# Altium PCB MB_PCB.PcbDoc (part 1 of 4) (continued)
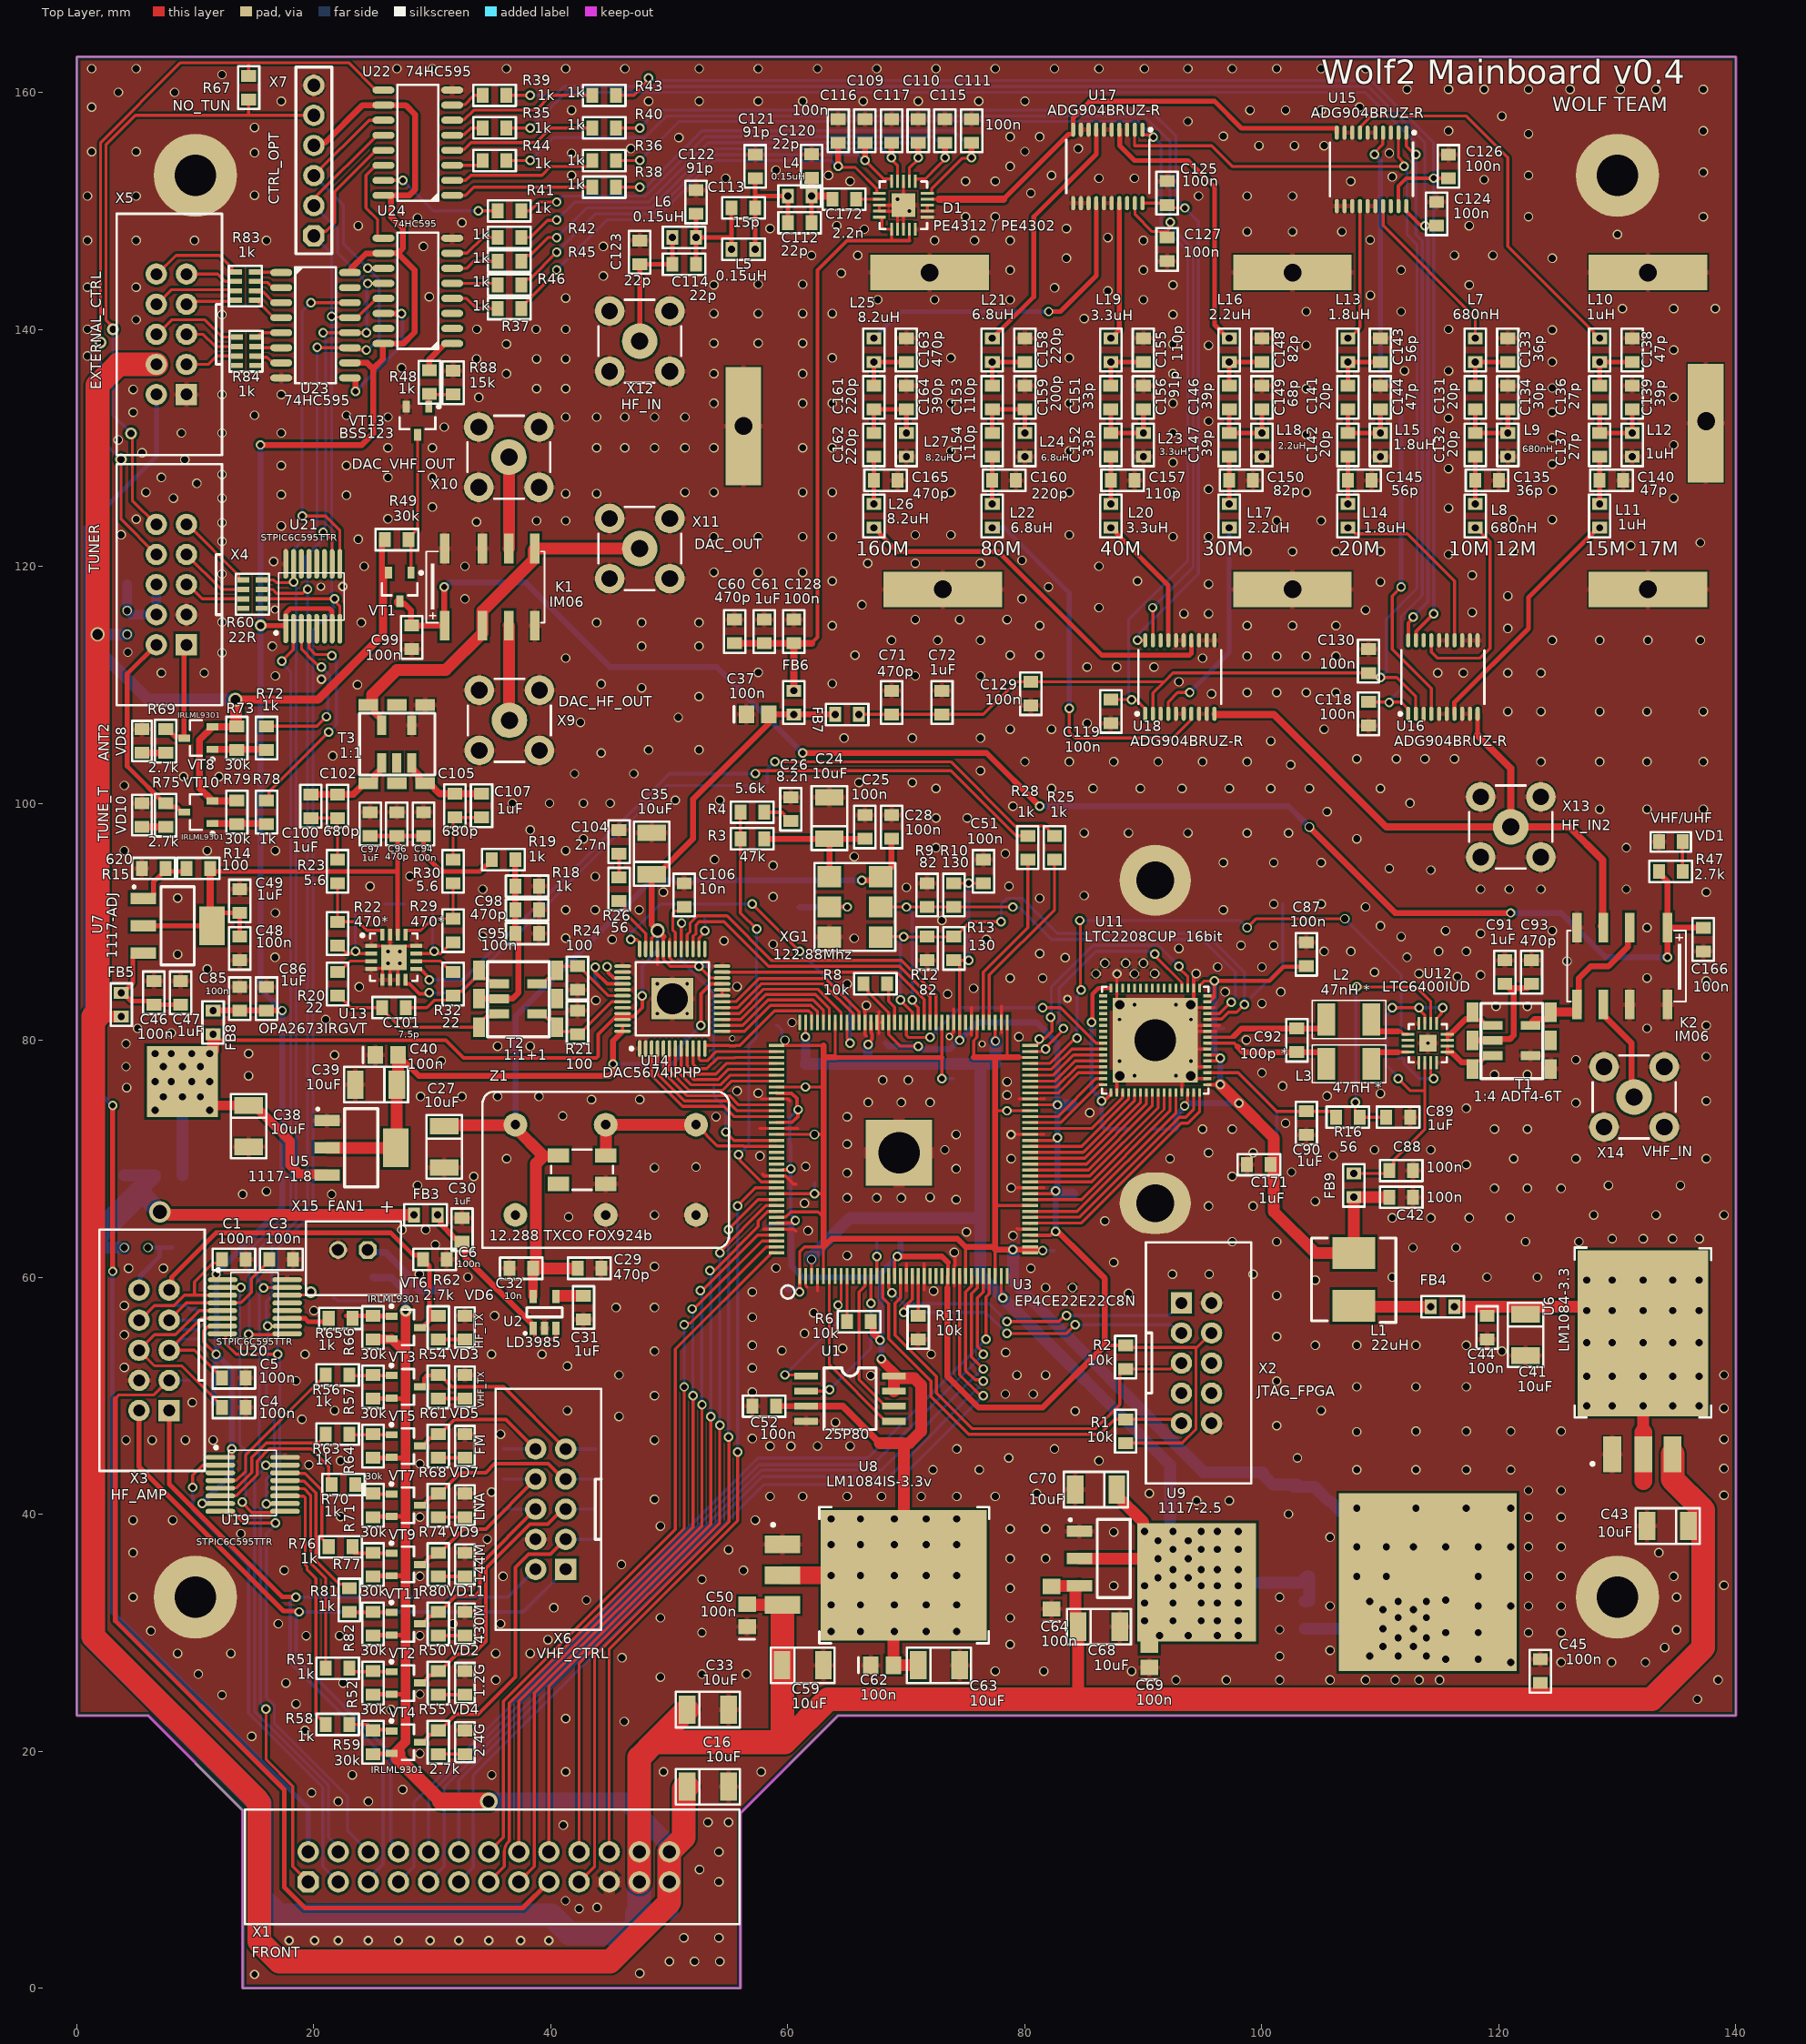
[diagram p0: Top Layer view]
## Components (designator, comment, footprint, x,y, rotation, side; value= is the part's Value field where it differs from the comment) (continued)
R14 "100" CH0805R 10.25,94.5 r180 top
R15 "620" CH0805R 6.475,94.5 r0 top
R16 "56" CH0805R 107.25,73.5 r0 top
R17 "1.5k" CH0805R 111.75,79.75 r90 bottom
R18 "1k" CH0805R 38,93 r0 top
R19 "1k" CH0805R 36,95.25 r0 top
R20 "22" CH0805R 22,84.75 r270 top
R21 "100" CH0805R 42.25,81.5 r270 top
R22 "470*" CH0805R 22,89 r270 top
R23 "5.6" CH0805R 22,94.25 r270 top
R24 "100" CH0805R 42.25,85.25 r90 top
R25 "1k" CH0805R 82.5,96.25 r270 top
R26 "56" CH0805R 45.75,92.75 r270 top
R27 "330" CH0805R 28.65,91.5 r0 bottom
R28 "1k" CH0805R 80.25,96.25 r270 top
R29 "470*" CH0805R 31.75,89.25 r270 top
R30 "5.6" CH0805R 31.75,94.25 r270 top
R31 "1.5k" CH0805R 44,83.735 r90 bottom
R32 "22" CH0805R 31.75,84.75 r270 top
R33 "10k" CH0805R 54,90.25 r180 bottom
R34 "22" CH0805R 53.75,77.25 r270 bottom
R35 "1k" CH0805R 35.25,157 r180 top
R36 "1k" CH0805R 44.5,154.25 r0 top
R37 "1k" CH0805R 36.5,141.75 r180 top
R38 "1k" CH0805R 44.5,152 r180 top
R39 "1k" CH0805R 35.25,159.75 r180 top
R40 "1k" CH0805R 44.5,157 r0 top
R41 "1k" CH0805R 36.5,150 r180 top
R42 "1k" CH0805R 36.5,147.75 r180 top
R43 "1k" CH0805R 44.5,159.75 r180 top
R44 "1k" CH0805R 35.25,154.25 r0 top
R45 "1k" CH0805R 36.5,145.75 r180 top
R46 "1k" CH0805R 36.5,143.75 r180 top
R47 "2.7k" CH0805R 134.5,94.25 r180 top
R48 "1k" CH0805R 29.75,135.541 r270 top
R49 "30k" CH0805R 27,122.25 r0 top
R50 "2.7k" CH0805R 30.5,25.75 r90 top
R51 "1k" CH0805R 22,27 r180 top
R52 "30k" CH0805R 25,25.75 r90 top
R53 "3k" CAT16 10.25,57.175 r0 bottom
R54 "2.7k" CH0805R 30.5,50.75 r90 top
R55 "2.7k" CH0805R 30.5,20.75 r90 top
R56 "1k" CH0805R 22,51.75 r180 top
R57 "30k" CH0805R 25,50.75 r90 top
R58 "1k" CH0805R 22,22.25 r180 top
R59 "30k" CH0805R 25,20.75 r90 top
R60 "22R" CAT16 14.042,116.45 r0 top
R61 "2.7k" CH0805R 30.5,45.75 r90 top
R62 "2.7k" CH0805R 30.5,55.75 r90 top
R63 "1k" CH0805R 22,46.75 r180 top
R64 "30k" CH0805R 25,45.75 r90 top
R65 "1k" CH0805R 22.25,56.525 r180 top
R66 "30k" CH0805R 25,55.75 r90 top
R67 "NO_TUN" CH0805R 14.5,160.4 r90 top
R68 "2.7k" CH0805R 30.5,40.75 r90 top
R69 "2.7k" CH0805R 7.5,105.25 r90 top
R70 "1k" CH0805R 22.5,42.496 r180 top
R71 "30k" CH0805R 25,40.75 r90 top
R72 "1k" CH0805R 16,105.5 r90 top
R73 "30k" CH0805R 13.5,105.5 r270 top
R74 "2.7k" CH0805R 30.5,35.75 r90 top
R75 "2.7k" CH0805R 7.5,99 r90 top
R76 "1k" CH0805R 22.25,37.25 r180 top
R77 "30k" CH0805R 25,35.75 r90 top
R78 "1k" CH0805R 16,99.25 r90 top
R79 "30k" CH0805R 13.5,99.25 r270 top
R80 "2.7k" CH0805R 30.5,30.75 r90 top
R81 "1k" CH0805R 23,32.75 r90 top
R82 "30k" CH0805R 25,30.75 r90 top
R83 "1k" CAT16 15,144.85 r180 top
R84 "1k" CAT16 15.05,139.35 r180 top
R85 "2k" CH0805R 10.5,51.29 r180 bottom
R86 "1k" CH0805R 21,58.675 r180 bottom
R87 "30k" CH0805R 25,59 r270 bottom
R88 "15k" CH0805R 31.75,135.5 r90 top
T1 "1:4 ADT4-6T" TRANSF_ACORE2 121.09,79.98 r0 top
T2 "1:1+1" TRANSF_ACORE2 37.25,83.5 r0 top
T3 "1:1" TRANSF_ACORE 27,105 r90 top
U1 "25P80" 25P80 65.25,49.75 r0 top
U2 "LD3985" LD3985 39.3,57 r90 top
U3 "EP4CE22E22C8N" QFP144-20-2222A 69.5,70.5 r90 top
U4 "1117-3.3" LT1117CST-3.3_2#1 9,71.5 r90 bottom value=LD1117-3.3
U5 "1117-1.8" LT1117CST-3.3 24,71 r0 top value=LD1117-1.8
U6 "LM1084-3.3" LM1084-3.3 132,54.25 r0 top
U7 "1117-ADJ" LT1117CST-3.3 8.5,89.75 r0 top value=AMS1117-ADJ
U8 "LM1084IS-3.3v" LM1084-3.3 68.75,35 r270 top
U9 "1117-2.5" LT1117CST-3.3_2#1 87.5,36.335 r0 top value=LD1117-2.5
U10 "1117-1.2" LT1117CST-3.3_2#2 106.5,30.25 r0 bottom value=LD1117-1.2
U11 "LTC2208CUP  16bit" "64-QFN (9x9)" 91,80 r180 top
U12 "LTC6400IUD" "16-QFN 3x3" 115.8,81.55 r270 top
U13 "OPA2673IRGVT" "16-QFN 4x4 PAD17" 26.75,87 r0 top
U14 "DAC5674IPHP" 48-TQFP 50.25,83.5 r90 top
U15 "ADG904BRUZ-R" 20-TSSOP 109.25,153.5 r270 top
U16 "ADG904BRUZ-R" 20-TSSOP 115.275,110.65 r90 top
U17 "ADG904BRUZ-R" 20-TSSOP 87,153.75 r270 top
U18 "ADG904BRUZ-R" 20-TSSOP 93.075,110.65 r90 top
U19 "STPIC6C595TTR" 16-TSOP 14.823,42.515 r0 top
U20 "STPIC6C595TTR" 16-TSOP 15,57.5 r0 top
U21 "STPIC6C595TTR" 16-TSOP 19.915,117.457 r90 top
U22 "74HC595" 16-SO 28.75,155.75 r180 top
U23 "74HC595" 16-SO 20.175,140.342 r0 top
U24 "74HC595" 16-SO 28.75,143.25 r180 top
VD1 "LED BLUE" "LED: 0805B" 134.5,96.75 r180 top
VD2 "LED BLUE" "LED: 0805B" 32.75,25.75 r90 top
VD3 "LED RED" "LED: 0805R" 32.75,50.75 r90 top
VD4 "LED BLUE" "LED: 0805B" 32.75,20.75 r90 top
VD5 "LED BLUE" "LED: 0805B" 32.75,45.75 r90 top
VD6 "LED RED" "LED: 0805R" 32.75,55.75 r90 top
VD7 "LED BLUE" "LED: 0805B" 32.75,40.75 r90 top
VD8 "LED BLUE" "LED: 0805B" 5.5,105.25 r90 top
VD9 "LED BLUE" "LED: 0805B" 32.75,35.75 r90 top
VD10 "LED BLUE" "LED: 0805B" 5.5,99 r90 top
VD11 "LED BLUE" "LED: 0805B" 32.75,30.75 r90 top
VT1 "IRLML9301" SOT23_132 27.25,118.25 r270 top
VT2 "IRLML9301" SOT23_132 27.75,25.75 r0 top
VT3 "IRLML9301" SOT23_132 27.75,50.75 r0 top
VT4 "IRLML9301" SOT23_132 27.75,20.75 r0 top
VT5 "IRLML9301" SOT23_132 27.75,45.75 r0 top
VT6 "IRLML9301" SOT23_132 27.75,55.75 r0 top
VT7 "IRLML9301" SOT23_132 27.75,40.75 r0 top
VT8 "IRLML9301" SOT23_132 10.25,105.5 r180 top
VT9 "IRLML9301" SOT23_132 27.75,35.75 r0 top
VT10 "IRLML9301" SOT23_132 10.25,99.25 r180 top
VT11 "IRLML9301" SOT23_132 27.75,30.75 r0 top
VT12 "IRLML9301" SOT23_132 27.75,59 r0 bottom
VT13 "BSS123" SOT23_132 28.75,132.282 r270 top
X1 "FRONT" "CON: IDC-26" 33.35,10.28 r0 top
X2 "JTAG_FPGA" "CON: BH-10" 93.21,57.83 r270 top
X3 "HF_AMP" "CON: BH-10" 7.79,48.75 r90 top
X4 "TUNER" "CON: BH-10" 9.25,113.38 r90 top
X5 "EXTERNAL_CTRL" "CON: BH-10" 9.25,134.5 r90 top
X6 "VHF_CTRL" "CON: BH-10" 41.25,35.34 r90 top
X7 "CTRL_OPT" "CON: PBS-6" 20,154.25 r90 top
X9 "DAC_HF_OUT" "CON: SMA" 36.5,107 r0 top
X10 "DAC_VHF_OUT" "CON: SMA" 36.46,129.21 r0 top
X11 "DAC_OUT" "CON: SMA" 47.5,121.5 r0 top
X12 "HF_IN" "CON: SMA" 47.5,139 r0 top
X13 "HF_IN2" "CON: SMA" 121,98 r0 top
X14 "VHF_IN" "CON: SMA" 131.41,75.21 r0 top
X15 "FAN1" "CON: CWF-2" 23.3,62.3 r180 top
XG1 "122.88Mhz" "OCS: GENA" 63.46,93.75 r0 top
Z1 "12.288 TXCO FOX924b" TCXO 44.63,69.06 r0 top

## Footprints (in the part's own frame and the unit in brackets; to place one, negate y for a bottom-side part, rotate by r counter-clockwise, add the part's x,y. Pads: shape width x height; smd on the part's side, far side on the other; paste and mask are expansions set on the pad)
"16-QFN 3x3" [mm]
  rect 1.1x0.25 smd: 1(0.125,-1.05) 2(0.125,-1.55) 3(0.125,-2.05) 4(0.125,-2.55) 9(3.45,-2.55) 10(3.45,-2.05) 11(3.45,-1.55) 12(3.45,-1.05)
  rect 0.25x1.1 smd: 5(1.05,-3.475) 6(1.55,-3.475) 7(2.05,-3.475) 8(2.55,-3.475) 13(2.55,-0.15) 14(2.05,-0.15) 15(1.55,-0.15) 16(1.05,-0.15)
  rect 1.45x1.45 smd: 17(1.8,-1.8)
  round 0.7 hole 0.3: 17(1.8,-1.8)
  round 0.35 on Top Overlay: ""(-0.2,-0.4)
  round 0.5 on Mech1: ""(0.7,-0.7)
  silkscreen extent 0.2,-3.4 3.4,-0.2, body extent 0.3,-3.3 3.3,-0.3, height 0.9
"16-QFN 4x4 PAD17" [mm]
  round 0.5 on Mech1: 0(-1.5,1.6)
  rect 1x0.35 smd: 1(-1.9,0.975) 2(-1.9,0.325) 3(-1.9,-0.325) 4(-1.9,-0.975) 9(1.9,-0.975) 10(1.9,-0.325) 11(1.9,0.325) 12(1.9,0.975)
  rect 0.35x1 smd: 5(-0.975,-1.9) 6(-0.325,-1.9) 7(0.325,-1.9) 8(0.975,-1.9) 13(0.975,1.9) 14(0.325,1.9) 15(-0.325,1.9) 16(-0.975,1.9)
  round 0.7 hole 0.3: 17(-0.5,-0.5) 17(-0.5,0.5) 17(0.5,-0.5) 17(0.5,0.5)
  rect 2.15x2.15 smd: 17(0,0)
  silkscreen extent -2.77,-2 2,2, body extent -2,-2 2,2, height 0.75
16-SO [mm] "pitch 1.27 mm"
  oval 1.85x0.6 smd: 1(-2.925,4.448) 2(-2.925,3.178) 3(-2.925,1.908) 4(-2.925,0.638) 5(-2.925,-0.632) 6(-2.925,-1.902) 7(-2.925,-3.172) 8(-2.925,-4.442) 9(2.875,-4.442) 10(2.875,-3.172) 11(2.875,-1.902) 12(2.875,-0.632) 13(2.875,0.638) 14(2.875,1.908) 15(2.875,3.178) 16(2.875,4.448)
  round 0.7 on Mech1: 25(-2.5,4.3)
  round 0.7 on Top Overlay: ""(-2.9,5.4)
  silkscreen extent -1.75,-4.9 1.7,4.9, body extent -3.09,-5.01 3.04,4.96, height 1.73
16-TSOP [mm]
  oval 2.5x0.42 smd: 1(-2.692,2.286) 2(-2.719,1.625) 3(-2.719,0.975) 4(-2.719,0.325) 5(-2.719,-0.325) 6(-2.719,-0.975) 7(-2.719,-1.625) 8(-2.719,-2.275) 9(2.745,-2.275) 10(2.745,-1.625) 11(2.745,-0.975) 12(2.745,-0.325) 13(2.745,0.325) 14(2.745,0.975) 15(2.745,1.625) 16(2.743,2.286)
  silkscreen extent -3.2,-2.65 2,3.22, body extent -3.2,-2.5 3.2,2.5, height 1.2
"20-QFN (4x4)" [mm]
  round 0.4 on Top Overlay: 0(-2.5,1.8)
  rect 1.1x0.25 smd: 1(-2.025,1) 2(-2.025,0.5) 3(-2.025,0) 4(-2.025,-0.5) 5(-2.025,-1) 11(2.025,-1) 12(2.025,-0.5) 13(2.025,0) 14(2.025,0.5) 15(2.025,1)
  rect 0.25x1.1 smd: 6(-1,-2.025) 7(-0.5,-2.025) 8(0,-2.025) 9(0.5,-2.025) 10(1,-2.025) 16(1,2.025) 17(0.5,2.025) 18(0,2.025) 19(-0.5,2.025) 20(-1,2.025)
  round 0.7 hole 0.3: 21(-0.5,0.5) 21(0.5,-0.5)
  rect 2x2 smd: 21(0,0)
  round 0.5 on Mech1: 23(-1.5,1.5)
  silkscreen extent -2,-2 2,2, body extent -2.02,-2.01 2,2.01, height 0.78
20-TSSOP [mm]
  oval 1.2x0.35 smd: 1(-3.1,2.925) 2(-3.1,2.275) 3(-3.1,1.625) 4(-3.1,0.975) 5(-3.1,0.325) 6(-3.1,-0.325) 7(-3.1,-0.975) 8(-3.1,-1.625) 9(-3.1,-2.275) 10(-3.1,-2.925) 11(3.1,-2.925) 12(3.1,-2.275) 13(3.1,-1.625) 14(3.1,-0.975) 15(3.1,-0.325) 16(3.1,0.325) 17(3.1,0.975) 18(3.1,1.625) 19(3.1,2.275) 20(3.1,2.925)
  round 0.5 on Mech1: ""(-2.8,2.8)
  silkscreen extent -3.22,-3.5 2.25,3.73, body extent -3.3,-3.3 3.3,3.3, height 1.2
25P80 [mm]
  rect 2x0.6 smd: 1(-3.7,1.905) 2(-3.7,0.635) 3(-3.7,-0.635) 4(-3.7,-1.905) 5(3.7,-1.905) 6(3.7,-0.635) 7(3.7,0.635) 8(3.7,1.905)
  silkscreen extent -2.2,-2.6 2.2,2.6
48-TQFP [mm]
  oval 1.4x0.3 smd: 1(-4.2,2.75) 2(-4.2,2.25) 3(-4.2,1.75) 4(-4.2,1.25) 5(-4.2,0.75) 6(-4.2,0.25) 7(-4.2,-0.25) 8(-4.2,-0.75) 9(-4.2,-1.25) 10(-4.2,-1.75) 11(-4.2,-2.25) 12(-4.2,-2.75) 25(4.2,-2.75) 26(4.2,-2.25) 27(4.2,-1.75) 28(4.2,-1.25) 29(4.2,-0.75) 30(4.2,-0.25) 31(4.2,0.25) 32(4.2,0.75) 33(4.2,1.25) 34(4.2,1.75) 35(4.2,2.25) 36(4.2,2.75)
  round 0.5 on Mech1: 1(-4,4)
  oval 0.3x1.4 smd: 13(-2.75,-4.2) 14(-2.25,-4.2) 15(-1.75,-4.2) 16(-1.25,-4.2) 17(-0.75,-4.2) 18(-0.25,-4.2) 19(0.25,-4.2) 20(0.75,-4.2) 21(1.25,-4.2) 22(1.75,-4.2) 23(2.25,-4.2) 24(2.75,-4.2) 37(2.75,4.2) 38(2.25,4.2) 39(1.75,4.2) 40(1.25,4.2) 41(0.75,4.2) 42(0.25,4.2) 43(-0.25,4.2) 44(-0.75,4.2) 45(-1.25,4.2) 46(-1.75,4.2) 47(-2.25,4.2) 48(-2.75,4.2)
  round 0.7 hole 0.3: 49(-1.25,-1.25) 49(-1.25,1.25) 49(1.25,-1.25) 49(1.25,1.25)
  rect 3.5x3.5 smd: 49(0,0)
  round 3 hole 2.6: 49(0,0)
  silkscreen extent -4.32,-3.1 3.1,3.57, body extent -4.5,-4.5 4.5,4.5, height 1.2
"64-QFN (9x9)" [mm]
  round 0.5 on Mech1: 0(-4,4)
  round 0.7 hole 0.3: 0(-3,1.75) 0(-3,-1.75) 0(-1.75,3) 0(-1.75,-3) 0(1.75,3) 0(1.75,-3) 0(3,1.75) 0(3,-1.75)
  round 1 hole 0.8: 0(-3,3) 0(-3,-3) 0(3,3) 0(3,-3)
  round 4 hole 3.5: 0(0,0)
  round 0.5 on Top Overlay: 1(-4.9,4.9)
  rect 0.7x0.25 smd: 1(-4.4,3.75) 2(-4.4,3.25) 3(-4.4,2.75) 4(-4.4,2.25) 5(-4.4,1.75) 6(-4.4,1.25) 7(-4.4,0.75) 8(-4.4,0.25) 9(-4.4,-0.25) 10(-4.4,-0.75) 11(-4.4,-1.25) 12(-4.4,-1.75) 13(-4.4,-2.25) 14(-4.4,-2.75) 15(-4.4,-3.25) 16(-4.4,-3.75) 33(4.4,-3.75) 34(4.4,-3.25) 35(4.4,-2.75) 36(4.4,-2.25) 37(4.4,-1.75) 38(4.4,-1.25) 39(4.4,-0.75) 40(4.4,-0.25) 41(4.4,0.25) 42(4.4,0.75) 43(4.4,1.25) 44(4.4,1.75) 45(4.4,2.25) 46(4.4,2.75) 47(4.4,3.25) 48(4.4,3.75)
  rect 0.25x0.7 smd: 17(-3.75,-4.4) 18(-3.25,-4.4) 19(-2.75,-4.4) 20(-2.25,-4.4) 21(-1.75,-4.4) 22(-1.25,-4.4) 23(-0.75,-4.4) 24(-0.25,-4.4) 25(0.25,-4.4) 26(0.75,-4.4) 27(1.25,-4.4) 28(1.75,-4.4) 29(2.25,-4.4) 30(2.75,-4.4) 31(3.25,-4.4) 32(3.75,-4.4) 49(3.75,4.4) 50(3.25,4.4) 51(2.75,4.4) 52(2.25,4.4) 53(1.75,4.4) 54(1.25,4.4) 55(0.75,4.4) 56(0.25,4.4) 57(-0.25,4.4) 58(-0.75,4.4) 59(-1.25,4.4) 60(-1.75,4.4) 61(-2.25,4.4) 62(-2.75,4.4) 63(-3.25,4.4) 64(-3.75,4.4)
  rect 7.15x7.15 smd: 65(0,0)
  silkscreen extent -4.5,-4.5 4.5,4.5, body extent -4.5,-4.52 4.52,4.5, height 0.9
CAP_0805 [mm]
  rect 1.3x1.5 smd: 1(-0.75,0) 2(1.15,0)
  silkscreen extent -1.8,-0.65 -1.8,0.65
CAT16 [mm]
  rect 1x0.45 smd: 1(0,0) 2(0,0.8) 3(0,1.6) 4(0,2.4) 5(1.55,0) 6(1.55,0.8) 7(1.55,1.6) 8(1.55,2.4)
  silkscreen extent -0.61,-0.52 2.17,2.92, body extent -0.07,-0.4 1.53,2.8, height 0.5
CH0805C [mm] "Chip Capacitor, 2-Leads, Body 2,00x1,20mm, IPC Medium Density"
  rect 1x1.25 smd: 1(-1,0) 2(1,0)
  silkscreen extent -1.8,-0.9 1.8,0.9, body extent -1,-0.62 1,0.63, height 0.78
CH0805F [mm]
  rect 0.95x1.4 smd: 1(-1,0) 2(1,0)
  silkscreen extent -1.68,-0.9 1.68,0.9, body extent -1,-0.63 1,0.62, height 0.5
CH0805L [mm]
  rect 1x1.25 smd: 1(-1,0) 2(1,0)
  silkscreen extent -1.8,-0.9 1.8,0.9, body extent -1,-0.62 1,0.63, height 0.85
CH0805R [mm]
  rect 1x1.25 smd: 1(-1,0) 2(1,0)
  silkscreen extent -1.8,-0.9 1.8,0.9, body extent -1,-0.6 1,0.6, height 0.44
CH1210L [mm]
  rect 1.5x2.7 smd: 1(1,1.35) 2(4.8,1.35)
  silkscreen extent -0.2,-0.25 6.02,2.95, body extent 1.45,-0.09 4.65,2.61, height 2
"CON: BH-10" [mm] "Connector; Header; 10 Position"
  rect 1.8x1.8 hole 1: 1(0,0)
  round 1.8 hole 1: 2(0,2.54) 3(2.54,0) 4(2.54,2.54) 5(5.08,0) 6(5.08,2.54) 7(7.62,0) 8(7.62,2.54) 9(10.16,0) 10(10.16,2.54)
  round 0.5 on Top Overlay: ""(-5.7,-2.5)
  round 0.5 on Mech1: ""(-4.5,-2.5)
  silkscreen extent -5.1,-3 15.25,5.9, body extent -5.07,-2.98 15.23,5.87, height 2.77
"CON: CWF-2" [mm]
  oct 1.5x1.5 hole 1: 1(-1.25,0)
  round 1.5 hole 1: 2(1.25,0)
  round 0.5 on Mech1: 23(-3.2,-1.7)
  round 0.5 on Top Overlay: 24(-4.5,-2.1)
  silkscreen extent -4.04,-2.41 3.96,3.81, body extent -3.75,-2.18 3.75,3.57, height 7
"CON: IDC-26" [mm]
  oct 1.8x1.8 hole 1.1: 1(-13.83,-1.32)
  round 1.8 hole 1.1: 2(-13.83,1.22) 3(-11.29,-1.32) 4(-11.29,1.22) 5(-8.75,-1.32) 6(-8.75,1.22) 7(-6.21,-1.32) 8(-6.21,1.22) 9(-3.67,-1.32) 10(-3.67,1.22) 11(-1.13,-1.32) 12(-1.13,1.22) 13(1.41,-1.32) 14(1.41,1.22) 15(3.95,-1.32) 16(3.95,1.22) 17(6.49,-1.32) 18(6.49,1.22) 19(9.03,-1.32) 20(9.03,1.22) 21(11.57,-1.32) 22(11.57,1.22) 23(14.11,-1.32) 24(14.11,1.22) 25(16.65,-1.32) 26(16.65,1.22)
  round 0.5 on Mech1: 42(-18.45,-3.95)
  silkscreen extent -19.16,-4.88 22.55,4.78
"CON: PBS-6" [mm] "PBS-6"
  oct 1.8x1.8 hole 1.1: 1(-6.35,0)
  round 1.8 hole 1.1: 2(-3.81,0) 3(-1.27,0) 4(1.27,0) 5(3.81,0) 6(6.35,0)
  silkscreen extent -7.87,-1.52 7.87,1.52
"CON: SMA" [mm]
  round 3 hole 1.45: 1(0,0)
  round 2.5 hole 1.4: 2(-2.54,-2.54) 2(-2.54,2.54) 2(2.54,-2.54) 2(2.54,2.54)
  silkscreen extent -3.5,-3.5 3.5,3.5, body extent -3.5,-3.5 3.5,3.5, height 9.53
IM06 [mm]
  rect 0.8x2.5 smd: 1(-3.475,-3.25) 2(-0.275,-3.25) 3(1.95,-3.25) 4(4.15,-3.25) 5(4.15,3.25) 6(1.95,3.25) 7(-0.275,3.25) 8(-3.475,3.25)
  silkscreen extent -5.02,-3 4.98,3, body extent -4.68,-3.72 5.32,3.78, height 5.7
IND_7x7 [mm]
  rect 2.7x3.6 smd: 1(-2.159,0) 2(2.286,0)
  silkscreen extent -3.56,-3.56 3.56,3.56
LD3985 [mm]
  rect 1.1x0.6 smd: 1(-1.316,0.785) 2(-1.316,-0.165) 3(-1.316,-1.115) 4(1.384,-1.115) 5(1.384,0.785)
  silkscreen extent -1.93,-1.66 0.43,1.66
"LED: 0805B" [mm]
  rect 1x1.25 smd: 1(-1,0) 2(1,0)
  silkscreen extent -1.7,-0.82 1.7,0.82, body extent -1.05,-0.67 1.05,0.68, height 0.9
"LED: 0805R" [mm]
  rect 1x1.25 smd: 1(-1,0) 2(1,0)
  silkscreen extent -1.7,-0.82 1.7,0.82, body extent -1.05,-0.67 1.05,0.68, height 0.9
LM1084-3.3 [mm]
  rect 1.5x3 smd: 1(-2.44,-9.2) 2(0.175,-9.2) 3(2.655,-9.2)
  rect 11x14 all layers, no hole: 2(0.15,1.025)
  silkscreen extent -5.6,-10.12 5.9,8.25, body extent -4.85,-10.57 5.15,5.11, height 4.78
LT1117CST-3.3 [mm]
  rect 2.15x0.95 smd: 1(-2.9,2.215) 2(-2.9,-0.085) 3(-2.9,-2.385)
  rect 2.15x3.25 smd: 4(2.9,-0.085)
  silkscreen extent -3.86,-3.38 1.4,3.38
LT1117CST-3.3_2#1 [mm]
  rect 2.15x0.95 smd: 1(-2.9,2.215) 2(-2.9,-0.085) 3(-2.9,-2.385)
  rect 6x6 all layers, no hole paste+0 mask+0.102: 4(5,-0.085)
  silkscreen extent -3.86,-3.38 1.4,3.38, body extent -3.68,-3.4 3.62,3.3, height 1.1
LT1117CST-3.3_2#2 [mm]
  rect 2.15x0.95 smd: 1(-2.9,2.215) 2(-2.9,-0.085) 3(-2.9,-2.385)
  rect 10x7 all layers, no hole paste+0 mask+0.102: 4(5,-0.085)
  silkscreen extent -3.86,-3.38 1.4,3.38, body extent -3.68,-3.4 3.62,3.3, height 1.8
"OCS: GENA" [mm]
  round 0.5 on Top Overlay: 0(-1.7,1.2)
  rect 2x1.8 smd: 1(0.04,0.04) 2(0.04,-2.5) 3(0.04,-5.04) 4(4.37,-5.04) 5(4.37,-2.5) 6(4.37,0.04)
  silkscreen extent -1.2,-6.2 5.6,1.2, body extent -0.5,-6 4.5,1, height 1.8
QFP144-20-2222A [mil]
  rect 52x10 smd: 1(-409.45,334.64) 2(-409.45,314.96) 3(-409.45,295.27) 4(-409.45,275.59) 5(-409.45,255.9) 6(-409.45,236.22) 7(-409.45,216.53) 8(-409.45,196.85) 9(-409.45,177.16) 10(-409.45,157.48) 11(-409.45,137.8) 12(-409.45,118.11) 13(-409.45,98.43) 14(-409.45,78.74) 15(-409.45,59.06) 16(-409.45,39.37) 17(-409.45,19.69) 18(-409.45,0) 19(-409.45,-19.68) 20(-409.45,-39.37) 21(-409.45,-59.06) 22(-409.45,-78.74) 23(-409.45,-98.43) 24(-409.45,-118.11) 25(-409.45,-137.8) 26(-409.45,-157.48) 27(-409.45,-177.17) 28(-409.45,-196.85) 29(-409.45,-216.54) 30(-409.45,-236.22) 31(-409.45,-255.91) 32(-409.45,-275.59) 33(-409.45,-295.28) 34(-409.45,-314.96) 35(-409.45,-334.65) 36(-409.45,-354.33) 73(433.07,-354.33) 74(433.07,-334.65) 75(433.07,-314.96) 76(433.07,-295.28) 77(433.07,-275.59) 78(433.07,-255.91) 79(433.07,-236.22) 80(433.07,-216.54) 81(433.07,-196.85) 82(433.07,-177.17) 83(433.07,-157.48) 84(433.07,-137.8) 85(433.07,-118.11) 86(433.07,-98.43) 87(433.07,-78.74) 88(433.07,-59.06) 89(433.07,-39.37) 90(433.07,-19.68) 91(433.07,0) 92(433.07,19.69) 93(433.07,39.37) 94(433.07,59.06) 95(433.07,78.74) 96(433.07,98.43) 97(433.07,118.11) 98(433.07,137.8) 99(433.07,157.48) 100(433.07,177.16) 101(433.07,196.85) 102(433.07,216.53) 103(433.07,236.22) 104(433.07,255.9) 105(433.07,275.59) 106(433.07,295.27) 107(433.07,314.96) 108(433.07,334.64)
  rect 10x52 smd: 37(-332.68,-431.1) 38(-312.99,-431.1) 39(-293.31,-431.1) 40(-273.62,-431.1) 41(-253.94,-431.1) 42(-234.25,-431.1) 43(-214.57,-431.1) 44(-194.88,-431.1) 45(-175.2,-431.1) 46(-155.51,-431.1) 47(-135.83,-431.1) 48(-116.14,-431.1) 49(-96.46,-431.1) 50(-76.77,-431.1) 51(-57.09,-431.1) 52(-37.4,-431.1) 53(-17.72,-431.1) 54(1.97,-431.1) 55(21.65,-431.1) 56(41.34,-431.1) 57(61.02,-431.1) 58(80.71,-431.1) 59(100.39,-431.1) 60(120.08,-431.1) 61(139.76,-431.1) 62(159.45,-431.1) 63(179.13,-431.1) 64(198.82,-431.1) 65(218.5,-431.1) 66(238.19,-431.1) 67(257.87,-431.1) 68(277.56,-431.1) 69(297.24,-431.1) 70(316.93,-431.1) 71(336.61,-431.1) 72(356.3,-431.1) 109(356.3,411.42) 110(336.61,411.42) 111(316.93,411.42) 112(297.24,411.42) 113(277.56,411.42) 114(257.87,411.42) 115(238.19,411.42) 116(218.5,411.42) 117(198.82,411.42) 118(179.13,411.42) 119(159.45,411.42) 120(139.76,411.42) 121(120.08,411.42) 122(100.39,411.42) 123(80.71,411.42) 124(61.02,411.42) 125(41.34,411.42) 126(21.65,411.42) 127(1.97,411.42) 128(-17.72,411.42) 129(-37.4,411.42) 130(-57.09,411.42) 131(-76.77,411.42) 132(-96.46,411.42) 133(-116.14,411.42) 134(-135.83,411.42) 135(-155.51,411.42) 136(-175.2,411.42) 137(-194.88,411.42) 138(-214.57,411.42) 139(-234.25,411.42) 140(-253.94,411.42) 141(-273.62,411.42) 142(-293.31,411.42) 143(-312.99,411.42) 144(-332.68,411.42)
  rect 220x220 smd: 145(0,5)
  round 157.48 hole 137.8: 145(0,5)
SOT23_132 [mm] "SOT23, 3-Leads, Body 3,0x2,6mm (max), Pitch 0,95mm, IPC Medium Density"
  rect 1x0.6 smd: 1(-1.2,0.95) 2(-1.2,-0.95) 3(1.2,0)
  round 0.5 on Mech1: ""(-0.9,1.1)
  silkscreen extent -1.32,-1.5 0.7,1.92, body extent -1.32,-1.52 1.32,1.52, height 1.12
TANTAL_B [mm]
  rect 1.4x2.4 smd: 1(-1.75,0) 2(1.75,0)
  round 0.5 on Mech1: ""(-1.4,1)
  silkscreen extent -2.7,-1.5 2.7,1.5, body extent -1.85,-1.46 1.85,1.47, height 2.03
TCXO [mm]
  round 2 hole 0.8: 1(-7.62,-3.81) 2(0,-3.81) 2(7.62,-3.81) 3(0,3.81) 3(7.62,3.81) 4(-7.62,3.81)
  round 0.5 on Top Overlay: 1(-4.595,-2.19)
  rect 1.8x1.2 smd: 1(-3.995,-1.19) 2(0.005,-1.19) 3(0.005,1.21) 4(-3.995,1.21)
  round 0.5 on Mech1: ""(-3.995,-1.09)
  silkscreen extent -10.4,-6.59 10.4,6.59
TRANSF_ACORE [mm]
  rect 1x1.65 smd: 1(-3.3,2.4) 2(-3.3,0) 3(-3.3,-2.4) 4(3.3,-2.4) 5(3.3,0) 6(3.3,2.4)
  rect 1.65x0.76 smd: 7(-1.59,1.27) 8(-1.59,0) 9(-1.59,-1.27) 10(1.59,1.27) 11(1.59,-1.27)
  silkscreen extent -2.61,-3.21 2.61,3.13
TRANSF_ACORE2 [mm]
  rect 1x1.65 smd: 1(-3.3,2.4) 2(-3.3,0) 3(-3.3,-2.4) 4(3.3,-2.4) 5(3.3,0) 6(3.3,2.4)
  rect 1.65x0.76 smd: 7(-1.59,1.27) 8(-1.59,0) 9(-1.59,-1.27) 10(1.59,1.27) 11(1.59,-1.27)
  silkscreen extent -2.61,-3.21 2.61,3.13

## Part data
C1 C2 C3 C4 C5 C6 C9 C12 C15 C17 C18 C19 C20 C21 C22 C23 C25 C26 C28 C29 C30 C31 C32 C42 C44 C45 C46 C47 C48 C49 C60 C61 C71 C72 C85 C86 C87 C88 C89 C90 C91 C92 C93 C94 C95 C96 C97 C98 C99 C100 C101 C102 C103 C104 C105 C106 C107 C108 C109 C110 C111 C112 C113 C114 C115 C116 C117 C118 C119 C120 C121 C122 C123 C124 C125 C126 C127 C128 C129 C130 C131 C132 C133 C134 C135 C136 C137 C138 C139 C140 C141 C142 C143 C144 C145 C146 C147 C148 C149 C150 C151 C152 C153 C154 C155 C156 C157 C158 C159 C160 C161 C162 C163 C164 C165 C166 C167 C169 C170 C171 C172 C173 C174: library part Capacitor
C16 C24 C27 C33 C35 C38 C39 C41 C43 C59 C63 C68 C70 C75 C84 C168: library part TantalCap
C34 C36 C37 C40 C50 C51 C52 C53 C54 C55 C56 C57 C58 C62 C64 C65 C66 C67 C69 C73 C74 C76 C77 C78 C79 C80 C81 C82 C83: library part CAP_0805, "CAP_0805"
D1: library part PE4312-№1
FB1 FB2 FB3 FB4 FB5 FB6 FB7 FB8 FB9 FB10: library part FB-1
K1 K2: library part IM06-V1
L1: library part IND_1206, "IND_1206"
L2 L3 L4 L5 L6 L7 L8 L9 L10 L11 L12 L13 L14 L15 L16 L17 L18 L19 L20 L21 L22 L23 L24 L25 L26 L27: library part Inductor-2
R1 R2 R3 R4 R5 R6 R7 R8 R9 R10 R11 R12 R13 R14 R15 R16 R17 R18 R19 R20 R21 R22 R23 R24 R25 R26 R27 R28 R29 R30 R31 R32 R33 R34 R35 R36 R37 R38 R39 R40 R41 R42 R43 R44 R45 R46 R47 R48 R49 R50 R51 R52 R54 R55 R56 R57 R58 R59 R61 R62 R63 R64 R65 R66 R67 R68 R69 R70 R71 R72 R73 R74 R75 R76 R77 R78 R79 R80 R81 R82 R85 R86 R87 R88: library part Resistor
R53 R60 R83 R84: library part CAT10-0804
T1 T2: library part TRANSF_ACORE2, "Transformer"
T3: library part TRANSF_ACORE, "Transformer"
U4: library part LT1117CST-3.3, "LT1117CST-3.3"
U5: library part LT1117CST-3.3, "LT1117CST-1.8"
U6 U8: library part LM1084
U7: library part LT1117CST-3.3, "LT1117CST-ADJ"
U9: library part LT1117CST-3.3, "LT1117CST-2.5"
U10: library part LT1117CST-3.3, "LT1117CST-1.2"
U11: library part LTC2208CUP
U22 U23 U24: library part HC595
VD1: library part LED_single, Color="ON VHF+", Temperature=-55...+150°C, ValueManufacturerPartNumber="LED, *, *, *, -55...+150°C", TypeDiode=LED
VD2 VD4 VD7 VD9 VD11: library part LED_single, Color="VHF LNA", Temperature=-55...+150°C, ValueManufacturerPartNumber="LED, *, *, *, -55...+150°C", TypeDiode=LED
VD3: library part LED_single, Color=VHF_TX, Temperature=-55...+150°C, ValueManufacturerPartNumber="LED, *, *, *, -55...+150°C", TypeDiode=LED
VD5: library part LED_single, Color="VHF FM", Temperature=-55...+150°C, ValueManufacturerPartNumber="LED, *, *, *, -55...+150°C", TypeDiode=LED
VD6: library part LED_single, Color="HF TX", Temperature=-55...+150°C, ValueManufacturerPartNumber="LED, *, *, *, -55...+150°C", TypeDiode=LED
VD8: library part LED_single, Color=ANT2, Temperature=-55...+150°C, ValueManufacturerPartNumber="LED, *, *, *, -55...+150°C", TypeDiode=LED
VD10: library part LED_single, Color="TUNE T", Temperature=-55...+150°C, ValueManufacturerPartNumber="LED, *, *, *, -55...+150°C", TypeDiode=LED
VT1 VT2 VT3 VT4 VT5 VT6 VT7 VT8 VT9 VT10 VT11 VT12: "Mosfet"
X1: library part 26-Connector
X2 X3 X4 X5 X6: library part IDC10, "2*5 Pin"
X7: library part 6-Connector
X9 X10 X11 X12 X13 X14: library part SMA, "RF"
X15: library part Component-2pin
XG1: library part NV7050SA, "Generator"
Z1: library part Generator

## Free pads (board coordinates)
  rect 3x10 smd: 2(56.25,131.828) 2(137.452,132.078)
  rect 10x3 smd: 2(71.951,144.798) 2(73.078,118.048) 2(102.578,118.048) 2(102.578,144.798) 2(132.578,118.048) 2(132.578,144.798)
  round 7 hole 3.5: 3(130,153) 4(10,153) 5(130,33) 6(10,33)
  round 6 hole 3.2: 7(91,93.5)
  oval 6x5.2 hole 3.2: 8(91,66.25)
  rect 15x15 all layers, no hole: 9(114,34.25)
  rect 10x10 all layers, no hole: 10(94.5,34.25)

## Via types
v1: diameter 0.8, hole 0.6, Top Layer to Bottom Layer, tented both sides, 1132 vias
v2: diameter 0.8, hole 0.5, Top Layer to Bottom Layer, tented both sides, 211 vias
v3: diameter 2, hole 1.5, Top Layer to Bottom Layer, tented both sides, 8 vias
v4: diameter 1, hole 0.6, Top Layer to Bottom Layer, tented both sides, 6 vias
v5: diameter 0.7, hole 0.5, Top Layer to Bottom Layer, tented both sides, 2 vias
v6: diameter 1.2, hole 0.8, Top Layer to Bottom Layer, tented both sides, 2 vias
v7: diameter 0.6, hole 0.4, Top Layer to Bottom Layer, tented both sides, 2 vias
v8: diameter 1, hole 0.5, Top Layer to Bottom Layer, tented both sides, 1 vias
v9: diameter 0.7, hole 0.4, Top Layer to Bottom Layer, tented both sides, 1 vias
v10: diameter 0.5, hole 0.4, Top Layer to Bottom Layer, tented both sides, 1 vias
v11: diameter 1.5, hole 1, Top Layer to Bottom Layer, tented both sides, 1 vias
v12: diameter 1.2, hole 0.9, Top Layer to Bottom Layer, tented both sides, 1 vias
v13: diameter 1.8, hole 1.2, Top Layer to Bottom Layer, tented both sides, 1 vias

## Nets (pads, with @x,y where several pads share a name; then routed paths per layer and width w, separated by ;. In a path a pad name is that pad's centre, name@x,y a point inside that pad or via, vN(x,y) a via of type N, cw(c..) or ccw(c..) an arc to the next point about the centre after c; other vN are vias at no path point)
+1V2: C74.2 C75.1 C76.1 C77.1 C78.1 C79.1 C80.1 C81.1 C82.1 C83.1 pad.9 U3.1 U3.5 U3.29 U3.34 U3.37 U3.38 U3.45 U3.61 U3.70 U3.73 U3.78 U3.84 U3.102 U3.109 U3.116 U3.124 U3.134 U3.138 U10.2 U10.4 | length 185.1
  Top Layer w0.254: U3.138@59.05,65.05 59.658,65.05 59.704,65.096 59.846,65.096 60.259,65.509 62.541,65.509 63,65.05 ; U3.134@59.05,67.05 63,67.05 ; U3.124@59.05,72.05 v1(62.25,72.05) 63,72.05 ; U3.116@59.05,76.05 v2(61.488,76.05) 62.95,76.05 63,76 ; v1(59.75,80) 59.75,79.55 63,79.55 ; U3.1@61,60.1 61,62.151 61.399,62.55 63,62.55 U3.5@63,60.1 ; 64,78.55 U3.102@64,81.5 ; v2@73,77 73,78.55 ; 73,78.55 U3.84@73,81.5 ; U3.29@75,60.1 75,62.55 ; 75.676,78.55 75.676,79.964 75.954,80.243 75.954,80.846 76,80.892 U3.78@76,81.5 ; U3.34@77.5,60.1 77.5,62.335 77.5,62.55 ; 77.5,66.05 U3.45@80.45,66.05 ; 77.55,74.05 v2(78.5,74.05) U3.61@80.45,74.05 ; 78.5,78.55 U3.73@78.5,81.5 ; 79.5,78.55 U3.70@80.45,78.55
  Top Layer w0.3: v2(61,58.75) U3.1@61,60.1
  Top Layer w0.4: 64,78.55 73,78.55
  Top Layer w0.5: 63,79.55 63,78.55 ; 64,78.55 63,78.55 ; 75.676,78.55 77.5,78.55 ; 77.5,62.335 v2(79,62.335) 80.45,62.335 80.477,62.307 81.443,62.307 v2(81.5,62.25) ; 79.5,78.55 77.5,78.55 ; 63,78.55 63,76 63,72.05 63,67.05 63,65.05 63,62.55 63.7,63.25 74.3,63.25 75,62.55 77.5,62.55 77.5,78.55
  Bottom Layer w0.254: C76.1@59,81.25 59.125,81.25 59.498,80.877 59.498,80.4 59.75,80.148 v1(59.75,80) ; C81.1@61,72.05 v1(62.25,72.05) ; v2(61.488,76.05) 62.7,76.05 C80.1@63,75.75 ; v2(62.25,67.034) C82.1@62.25,67.984 ; v2(73,76.75) C77.1@74,76.75 ; v2(78.5,74.05) 79.95,74.05 C78.1@80,74 ; v2(81.5,62.25) C83.1@82.5,62.25
  Bottom Layer w0.5: C79.1@59.75,59.25 60,59 v2@61,59
  Bottom Layer w1: v2(79,62.335) 79,59.617 95.067,43.55 100.027,43.55 100.127,43.45 100.127,43.3 100.927,42.5 C75.1@103,42.5 ; C75.1@102.7,42.3 104.45,42.3 105.689,41.061 105.807,41.061 109.017,37.851 109.017,32.718 v1(109.1,32.635) ; U10.2@103.6,30.335 v1(110.225,30.335) U10.4@111.5,30.335 ; pad.9@109.15,32.685 109.25,32.585 pad.9@109.25,32.25
  other v1: 121,27.5 115.5,27.75 118.25,27.75 109.1,28.035 111.5,28.035 113.875,28.035 110.225,28.825 112.775,28.825 111.5,29.55 113.875,29.55 115.5,30 118.25,30 112.775,30.335 111.5,31.275 113.875,31.275 110.225,31.95 112.775,31.95 118.25,32.25 121,32.25 111.5,32.635 113.875,32.635 115.5,32.75 108,34.75 110.5,34.75 118.25,34.75 108,37.25 110.5,37.25 112.775,37.25 115.5,37.25 118.25,37.25 121,37.25 108,40.5 113,40.5 117.25,40.5 121,40.5
+1V8DAC: C39.1 C40.2 U5.2 U5.4 U14.21 U14.47 U14.48 | length 51
  Top Layer w0.3: U14.48@46.05,80.75 U14.47@46.05,81.25 ; v2(52.658,81.25) 52.658,83.908 53.5,84.75 U14.21@54.45,84.75
  Top Layer w0.5: C40.2@27.1,78.75 28.85,77 44.957,77 45.25,77.293 45.25,79.95 U14.48@46.05,80.75
  Top Layer w1: U5.2@21.1,70.915 U5.4@26.9,70.915 26.975,70.99 26.975,75.54 27.1,75.666 C40.2@27.1,78.75
  Bottom Layer w0.3: v2(45.25,78) 50.25,78 50.75,78.5 50.75,79.342 v2(52.658,81.25)
+2V5: C65.1 C66.1 C67.1 C69.2 C70.1 C73.2 C84.1 pad.10 U3.3 U3.35 U3.75 U3.96 U3.107 U9.2 U9.4 U10.3 | length 127
  Top Layer w0.254: v2@61.5,80.25 U3.107@61.5,81.5 ; U3.3@62,60.1 v1@62,61.5 ; v2@77.5,80 U3.75@77.5,81.5 ; U3.35@78,60.1 78,58.55 78.153,58.398 v2(78.153,58.25)
  Top Layer w0.3: v2(66.775,79.635) 66.775,79.771 67.097,80.093 67.097,80.543 67.023,80.617 67.023,81.477 U3.96@67,81.5
  Top Layer w1: U9.2@84.6,36.25 v1(91.225,36.25) ; C70.1@87.75,42.076 87.75,41.576 90,39.326 90,38.75 90.15,38.6 91.108,37.642 U9.4@92.5,36.25 ; C69.2@90.5,29 90.5,33.91 v1(91.225,34.635)
  Bottom Layer w0.8: C67.1@61.5,78 v2@61.5,80.293 ; 66.75,78 66.75,79.61 v2(66.775,79.635)
  Bottom Layer w1: C67.1@61.5,78 66.75,78 76.25,78 ; v1(62,61.5) 62,61.75 65.25,65 C65.1@76.25,65 ; v2(77.51,79.926) 77.5,79.916 C66.1@77.5,78 76.25,78 ; U9.4@92.5,36.25 92.5,36.785 92.25,37.035 92.25,44.153 v2(78.153,58.25) 76.25,60.153 C65.1@76.25,65 ; pad.10@94.5,34.25 94.875,34.085 95,34.21 103.26,34.21 103.8,34.75 104,34.75 104,32.66 103.625,32.66 U10.3@103.6,32.635 ; C65.1@76.25,65 76.25,78
  other v1: 91.377,29.75 93.775,29.75 96.25,29.75 98,29.75 90.1,31 92.5,31 94.875,31 96.25,31 98,31 90.1,32.5 92.5,32.5 94.875,32.5 96.25,32.5 98,32.5 90.1,33.95 92.5,33.95 94.875,33.95 96.25,33.95 98,33.95 93.775,34.635 92.5,35.31 94.875,35.31 96.25,35.31 98,35.31 93.775,36.25 92.5,37.035 94.875,37.035 96.25,37.035 98,37.035 91.225,37.76 93.775,37.76 90.1,38.55 92.5,38.55 94.875,38.55 96.25,38.55 98,38.55
  other v2: 61.488,80.305
+3V3: C51.1 C52.1 C53.1 C54.1 C55.1 C56.1 C57.1 C58.1 C62.2 C63.1 R1.2 R2.2 R6.2 R7.2 R8.1 R10.1 R13.1 U1.3 U1.7 U1.8 U3.17 U3.26 U3.40 U3.47 U3.56 U3.62 U3.81 U3.93 U3.117 U3.122 U3.130 U3.139 U8.2 X2.4 | length 233.5
  Top Layer w0.254: R8.1@66.375,84.757 66.748,84.384 66.748,84.09 68.5,82.337 U3.93@68.5,81.5 68.5,80.576 68.5,80.5 69.5,79.5 v2(71,79.5) ; U3.17@69,60.1 69,61.377 ; 69.75,46 70.25,46 ; R13.1@74.004,86.75 R13.1@74.127,86.75 ; R10.1@74.004,93.25 v2(75.252,93.25) C51.1@76.5,93.25 ; v2(74.5,80) U3.81@74.5,81.5 74.5,86.377 R13.1@74.127,86.75 ; v2(75.25,86.75) R13.1@74.127,86.75 ; U3.47@80.45,67.05 82.274,67.05 82.501,67.277 v2(82.586,67.277) ; U3.56@80.45,71.55 82.375,71.55 82.602,71.777 v2(82.75,71.777) ; U3.62@80.45,74.55 v2(82.75,74.55) ; R1.2@88.5,46 93.275,46 94.437,47.162 94.437,53.977 X2.4@95.75,55.29 ; R2.2@88.5,54.5 88.625,54.5 89.062,54.063 94.452,54.063
  Top Layer w0.3: U3.139@59.05,64.55 59.073,64.573 60.273,64.573 60.483,64.782 v2(60.618,64.782) ; U3.122@59.05,73.05 59.073,73.073 60.36,73.073 60.836,73.549 60.836,74.11 v2(60.857,74.131) 60.761,74.226 60.761,75.074 60.308,75.527 59.073,75.527 U3.117@59.05,75.55 ; U3.130@59.56,69.073 60.173,69.073 v2(60.24,69.14) ; 73.469,59.108 73.477,59.116 73.477,60.077 U3.26@73.5,60.1 73.5,61.25 ; U3.40@80.45,63.55 82.165,63.55 82.461,63.846 v2(82.591,63.846) ; 86.75,54.25 R2.2@88.5,54.25
  Top Layer w0.5: C52.1@59,49.115 U1.3@61.55,49.115 ; v1(63.65,34.825) v1(66.125,34.825) v1(68.975,34.825) 69.75,34.825 U8.2@69.775,34.85 ; v2@67.897,53.014 v2(67.897,53.095) ; U1.8@68.2,51.705 68.25,51.655 U1.8@68.95,51.655 ; v2(69.25,61.75) 73,61.75 73.5,61.25 ; 73.469,59.108 73.469,51.619 76.088,49 81.5,49 86.75,54.25 86.75,59.886 84.798,61.837 82.94,63.696 82.822,63.696 82.672,63.846 v2(82.591,63.846)
  Top Layer w0.6: U1.3@61.55,49.115 64.635,49.115 67.75,46 ; R6.2@67,56.25 67.2,56.05 67.2,55.283 v2(67.782,54.701)
  Top Layer w0.8: v2@67.897,53.014 U1.8@69.429,51.482
  Top Layer w1: 67.75,46 69.75,46 ; U1.7@68.95,50.385 U1.8@68.95,51.655 69.123,51.482 69.429,51.482 70.664,51.482 71.25,50.896 71.25,47 70.25,46 ; v1(68.975,30.1) 68.9,30.025 C62.2@68.9,27.25 C63.1@71,27.25 ; U8.2@69.775,34.85 69.775,45.525 ; v1(71.675,34.825) U8.2@72.55,33.95
  Top Layer w1.5: U8.2@59.55,34.825 v1(63.65,34.825)
  Bottom Layer w0.254: v2(75.25,86.75) v2(75.25,86.75) 75.251,93.249 v2(75.252,93.25)
  Bottom Layer w0.3: C56.1@58.272,64.25 58.49,64.468 60.304,64.468 ; C57.1@59,69.027 59.017,69.044 60.145,69.044 v2(60.24,69.14) ; v2(60.618,64.782) 60.618,64.917 60.218,65.317 60.218,69.027 60.218,71.212 60.15,71.28 60.15,73.424 v2(60.857,74.131)
  Bottom Layer w0.5: v2(60.618,64.782) 60.304,64.468 60.304,60.946 61.25,60 67.851,60 ; v2(67.782,54.701) 67.839,54.759 67.839,56.089 67.851,56.101 67.851,60 ; v2@67.851,54.766 67.897,54.72 v2(67.897,53.095) ; C58.1@68.25,79.75 68.5,79.5 v2(71,79.5) 71.081,79.5 71.331,79.25 73.669,79.25 74.419,80 v2(74.5,80) 76,81.5 81,81.5 82.75,79.75 v2(82.75,74.55) v2@82.75,67.277 ; R7.2@69.5,63.25 69.5,62 v2(69.25,61.75) 67.851,60.351 67.851,60 ; v2(82.586,67.277) 82.586,63.851 v2(82.591,63.846)
  Bottom Layer w1: v2(82.586,67.277) 82.863,67 C55.1@84,67 ; v2(82.75,74.55) 82.8,74.5 C54.1@84,74.5
  other v1: 63.65,30.1 66.125,30.1 71.675,30.1 74.25,30.1 63.65,32.345 66.125,32.345 68.975,32.345 71.675,32.345 74.25,32.345 74.25,34.825 63.65,37.44 66.125,37.44 68.975,37.44 71.675,37.44 74.25,37.44 63.65,39.6 66.125,39.6 68.975,39.6 71.675,39.6 74.25,39.6